# Allegro board BeagleBone-AI.brd (continued)
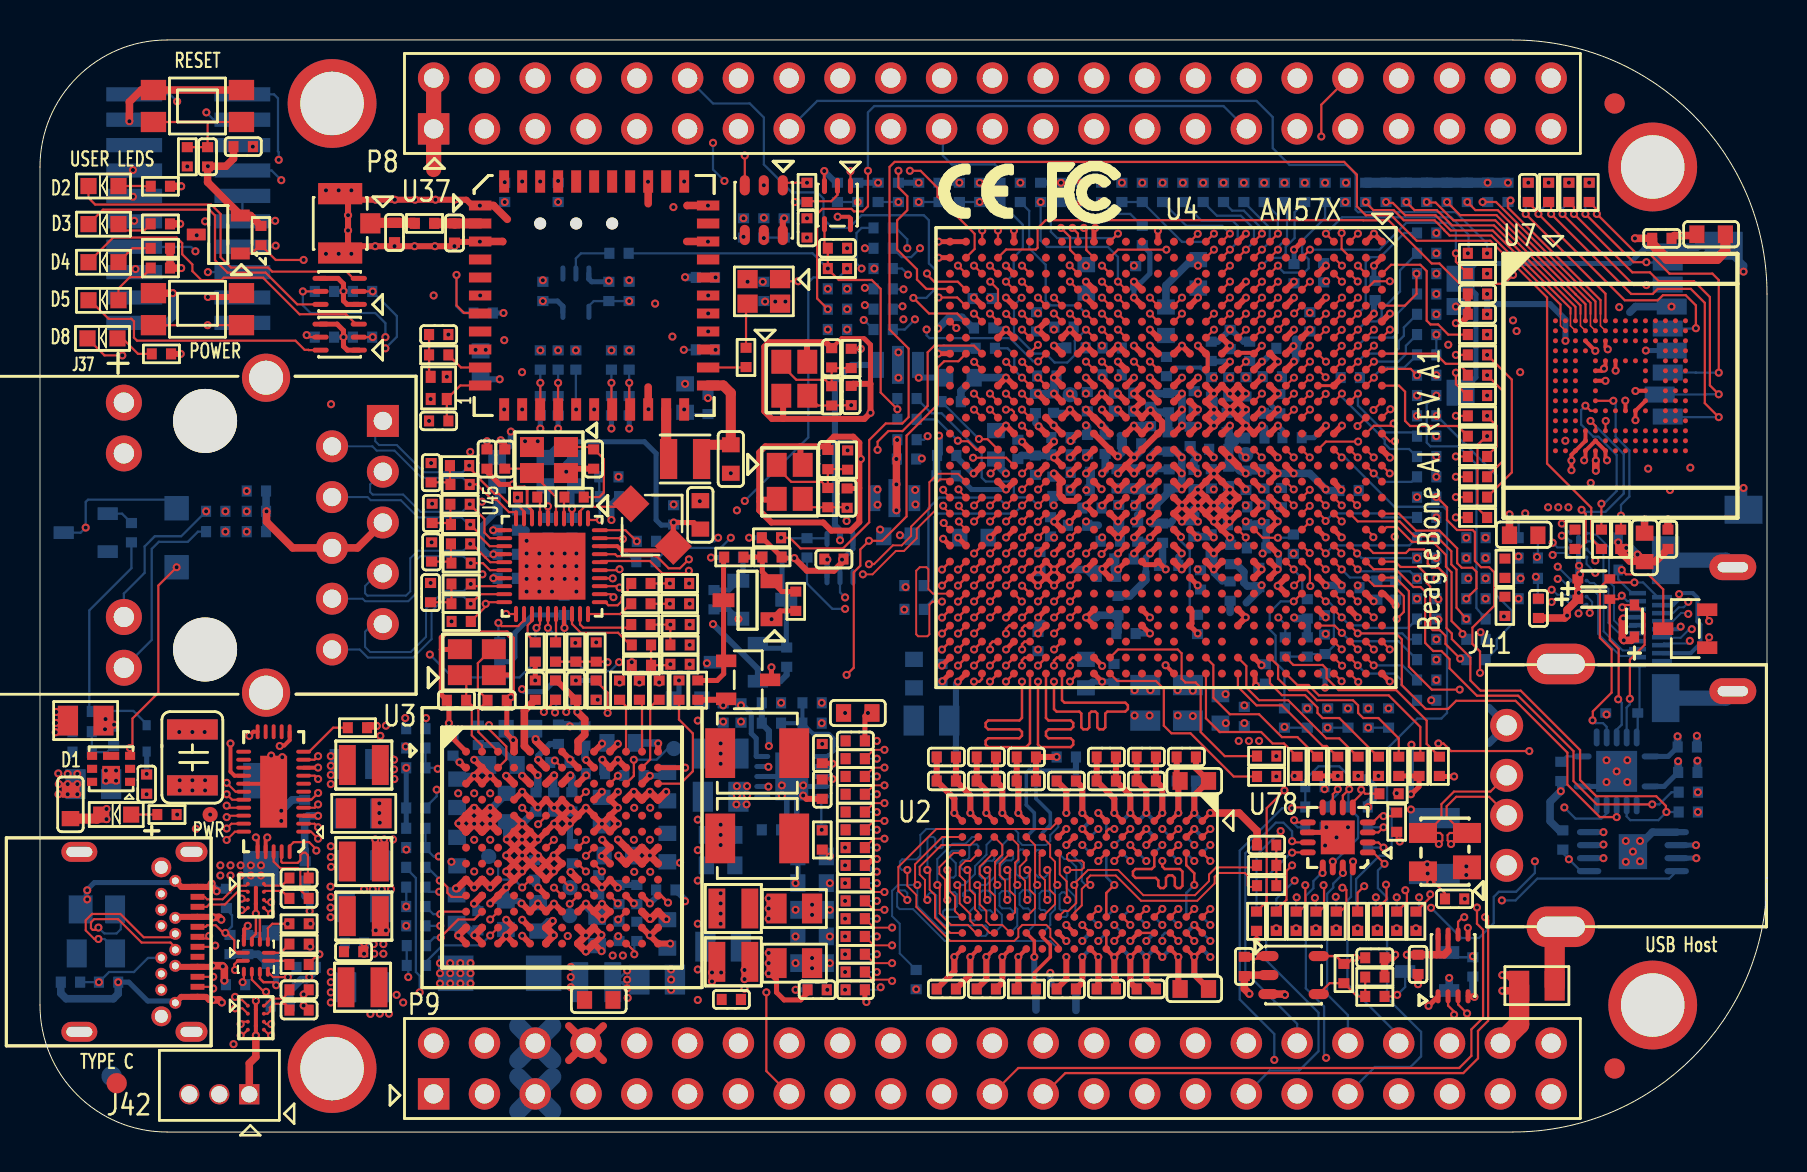
[diagram p0: board, top side]
## Routing (per net, layer and track width the routed paths; a pad name or vN(x,y) marks a point on that pad's centre or on a via; arc(x,y) is an arc through that point) (continued)
AC8_MMC3_DATA4: length 17.6
  TOP w0.114: v1(49.9,39.36) 49.5,38.96 U4.AC8
  INT_L3 w0.102: v1(49.9,39.36) 49.9,39.62 50.34,40.06 50.34,41.08 50.63,41.37 50.85,41.37 51.06,41.58 51.06,42.35 50.67,42.74 50.67,48.45 51.5,49.28 51.5,50.55 50.74,51.31 48.77,51.31 P8.23
AC9_MMC3_DATA2: length 29.9
  TOP w0.114: U4.AC9 v1(49.11,38.52)
  SIG_L8 w0.102: v1(43.18,40.64) 42.06,41.76 40.84,41.76 40.61,41.52 37.98,41.52 36.25,43.26 35.74,43.26 33.86,45.14 31.27,45.14 29.29,47.12 27.81,47.12 P8.5
  SIG_L10 w0.102: v1(49.11,38.52) 48.84,38.78 47.88,39.75 44.07,39.75 v1(43.18,40.64)
AD4_MMC3_CLK: length 5.2
  BOTTOM w0.114: R585.2 48.01,48.13 47.75,48.39 45.59,48.39 45.15,48.83 45.15,50.1 P8.21
AD6_MMC3_DATA5: length 16.1
  TOP w0.114: U4.AD6 v1(48.31,40.92)
  INT_L3 w0.102: v1(48.31,40.92) 48.7,41.31 48.7,41.85 48.96,42.1 49.34,42.1 49.48,42.25 49.48,46.15 49.4,46.23 49.4,47.69 48.83,48.26 46.8,48.26 45.97,49.09 45.97,51.82 P8.22
AD9_EQEP1A_IN: length 9.5
  TOP w0.114: U4.AD9 v1(48.31,38.52)
  INT_L3 w0.102: v1(48.31,38.52) 47.58,38.52 47.19,38.13 46.48,38.13 45.29,39.32 43.13,39.32 42.65,39.8 40.69,39.8 v1(40.36,40.13)
AE2_GPIO3_24: length 75.8
  TOP w0.114: U4.AE2 48.31,44.13 49.8,44.13 49.89,44.22 49.89,45.19 50.29,45.6 66.16,45.6 66.17,45.59 67.44,45.59 69.6,43.43 69.98,43.43 70.99,42.42 73.22,42.42 v1(73.66,42.86)
  SIG_L5 w0.102: v1(73.66,42.86) 74.73,41.8 74.73,30.71 74.42,30.4 74.42,27.2 74.52,27.1 74.52,25.25 73.08,23.8 73.08,22.61 74.85,20.83 74.85,13.64 v1(74.75,13.54) ; v1(69.56,11.21) 69.53,11.21 69.42,11.33 68.63,11.33 68.45,11.51 68.45,11.73 68.68,11.96 68.68,12.32 68.45,12.55 68.1,12.55 67.54,11.99 67.11,11.99 66.95,12.14 66.62,12.14 66.24,11.76 v1(64.8,11.76)
  BOTTOM w0.114: v1(74.75,13.54) 74.75,12.95 73.81,12.01 72.95,12.01 72.69,11.76 72.69,10.44 71.96,9.7 71.07,9.7 v1(69.56,11.21) ; v1(64.8,11.76) 64.82,11.73 R653.1
AF8_TIMER13: length 43
  TOP w0.114: U4.AF8 46.7,39.33 44.72,39.33 44.39,38.99 44.39,36.31 43.13,35.05 42.42,35.05 41.88,34.52 v1(41.88,34.11)
  SIG_L8 w0.102: v1(41.88,34.11) 41.88,33.99 42.67,33.2 45.49,33.2 46.96,31.72 47.7,31.72 47.9,31.52 47.9,31.19 48.18,30.91 49.28,30.91 49.53,30.66 49.53,30.3 49.71,30.12 50.88,30.12 51.1,29.9 51.1,28.78 51.36,28.52 54.18,28.52 56.64,26.06 56.64,24.94 58.29,23.29 58.29,22.33 59.66,20.96 62.81,20.96 63.02,20.75 66.98,20.75 67.41,21.18 v1(67.44,21.18)
AF9_EQEP1B_IN: length 8.7
  TOP w0.114: U4.AF9 v1(46.71,38.52)
  INT_L3 w0.102: v1(40.36,41.15) 40.36,40.77 40.97,40.16 42.62,40.16 43.23,39.55 46.43,39.55 46.71,39.27 v1(46.71,38.52)
AG4_GPIO3_12: length 49.9
  TOP w0.114: U4.AG4 46.29,42.13 45.9,42.52 44.72,42.52 44.35,42.88 v1(44.35,42.93) ; P9.15 36.32,3.05 v1(36.32,6.98)
  SIG_L10 w0.102: v1(44.35,42.93) 44.06,42.93 43.69,43.31 43.24,43.31 42.55,42.61 42.55,40 40.89,38.35 39.5,38.35 38.13,36.98 38.13,23.77 35.94,21.59 35.94,16.71 36.83,15.82 36.83,7.49 v1(36.32,6.98)
AG6_GPIO3_10: length 25.5
  TOP w0.114: U4.AG6 46.27,40.52 45.87,40.93 44.45,40.93 v1(43.67,41.71)
  BOTTOM w0.114: v1(43.67,41.71) 44.32,41.71 44.77,42.16 44.77,43.12 44.45,43.43 44.45,45.59 44.2,45.85 41.08,45.85 40.45,45.21 39.62,45.21 39.18,45.66 39.18,46.67 38.86,46.99 37.59,46.99 36.2,48.39 36.2,50.74 35.5,51.43 33.66,51.43 P8.12
AH4_GPIO3_11: length 19.8
  TOP w0.114: U4.AH4 45.47,42.16 44.32,42.16 43.85,42.63 43.85,43.14 42.86,44.13 42.86,45.59 43.37,46.1 43.37,46.8 42.93,47.24 v1(42.93,48.07)
  SIG_L8 w0.102: v1(42.93,48.07) 41.97,48.07 41.58,47.68 38.68,47.68 37.97,48.39 34.16,48.39 P8.11
AIN0: length 14.7
  TOP w0.114: v1(64.14,12.95) 64.15,12.97 U78.13
  SIG_L5 w0.102: P9.39 67.95,1.93 66.65,3.23 64.8,3.23 v1(64.31,3.71)
  BOTTOM w0.114: v1(64.31,3.71) 64.21,3.81 64.21,6.27 63.3,7.19 63.3,11.81 63.68,12.19 63.68,12.55 64.08,12.95 v1(64.14,12.95)
AIN1: length 10.6
  TOP w0.114: U78.16 65.65,13.51 v1(65.66,13.53)
  BOTTOM w0.114: P9.40 67.95,4.83 65.38,7.39 65.38,11.58 65.56,11.76 65.56,13.42 v1(65.66,13.53)
AIN2: length 16.2
  TOP w0.114: v1(67.23,13.41) 66.66,13.98 U78.1
  BOTTOM w0.114: P9.37 66.75,3.25 68.53,3.25 69.06,3.78 69.06,5 67.36,6.71 67.36,11.73 66.9,12.19 66.9,13.08 v1(67.23,13.41)
AIN3: length 9.5
  TOP w0.114: U78.15 65.15,12.96 v1(65.15,12.95)
  BOTTOM w0.114: P9.38 65.41,5.84 64.36,6.88 64.36,11.91 64.67,12.22 64.67,12.42 65.15,12.9 v1(65.15,12.95)
AIN4: length 16.9
  TOP w0.114: v1(62.61,13.97) 62.62,13.98 U78.12
  BOTTOM w0.114: P9.33 61.49,3.07 62.97,3.07 63.93,4.04 63.93,5.97 61.32,8.59 61.32,12.73 62.56,13.97 v1(62.61,13.97)
AIN5: length 15
  TOP w0.114: U78.11 62.67,14.48 v1(62.61,14.54)
  BOTTOM w0.114: v1(62.61,14.54) 62.61,15.04 62.18,15.47 61.8,15.47 60.27,13.94 60.27,8 62.86,5.41 P9.36
AIN6: length 18.4
  TOP w0.114: U78.8 62.65,16.23 v1(62.61,16.19)
  PWR_L6 w0.102: v1(61.72,3.61) 61.72,3.05 P9.35
  BOTTOM w0.114: v1(61.72,3.61) 61.72,4.9 59.99,6.63 59.99,14.07 62.12,16.19 v1(62.61,16.19)
B3_GPIO4_28: length 22.9
  TOP w0.114: U4.B3 v1(65.9,43.33)
  SIG_L8 w0.102: v1(65.9,43.33) 65.9,43.44 65.41,43.94 64.64,43.94 63.94,44.64 63.94,45.78 62.89,46.84 54.83,46.84 54.48,47.18 54.48,48.2 53.91,48.77 51.75,48.77 51.31,49.21 51.31,51.56 P8.26
B4_GPIO4_29: length 41.4
  TOP w0.114: U4.B4 66.72,42.54 v1(67.5,42.54)
  INT_L3 w0.102: P8.16 38.54,53.78 50.99,53.78 51.44,53.34 51.44,52.2 52.01,51.63 65.66,51.63 66.36,50.93 66.36,48.7 66.87,48.2 66.87,46.04 67.5,45.4 v1(67.5,42.54)
B7_GPIO8_16: length 5.8
  TOP w0.114: U4.B7 v1(66.7,40.13) ; R663.1 v1(70.8,38.86)
  SIG_L5 w0.102: v1(70.8,38.86) 70.28,38.86 70.03,39.12 69.34,39.12 68.71,39.75 67.38,39.75 67,40.13 v1(66.7,40.13)
B8_GPIO8_17: length 16.9
  TOP w0.114: U4.B8 v1(66.7,39.33)
  SIG_L5 w0.102: v1(66.7,39.33) 67,39.33 67.08,39.24 68.3,39.24 68.91,38.63 69.7,38.63 70.29,38.04 70.29,37.05 72.06,35.28 72.57,35.28 72.8,35.05 72.8,30.99 73.56,30.23 73.56,28.4 74.04,27.91 v1(74.04,27.69)
B9_GPIO8_22: length 3.5
  TOP w0.114: U4.B9 v1(66.7,38.53)
  BOTTOM w0.114: R621.1 68.3,39.32 68.3,38.9 67.93,38.53 v1(66.7,38.53)
B10_VOUT1_DE: length 3.2
  TOP w0.114: U4.B10 v1(66.7,37.73)
  BOTTOM w0.114: v1(66.7,37.73) 66.7,37.8 67.13,38.23 68.22,38.23 R620.1
B12_SPI3_SCLK: length 30.9
  TOP w0.114: U4.B12 v1(65.88,35.3)
  SIG_L10 w0.102: v1(66.8,11.73) 66.85,11.79 66.85,12.83 67.01,12.98 67.46,12.98 67.69,13.21 67.69,13.92 67.56,14.05 67.56,16.03 67.18,16.41 67.18,17.35 67.34,17.5 67.34,19.08 68.81,20.55 68.81,25.98 69.22,26.39 69.22,29.79 68.14,30.87 68.14,33.78 67.83,34.09 67.32,34.09 67.12,34.29 67.12,36.21 66.83,36.5 66.42,36.5 66.27,36.35 66.27,35.69 v1(65.88,35.3)
  BOTTOM w0.114: R645.1 66.8,11.1 v1(66.8,11.73)
B13_SPI3_D0: length 55.9
  TOP w0.114: v1(67.69,35.43) 67.58,35.32 66.7,35.32 U4.B13
  SIG_L5 w0.102: P9.30 55.25,5.41 55.68,5.84 62.66,5.84 63.56,6.75 63.56,7.62 65.28,9.33 65.28,10.58 65.54,10.85 69.04,10.85 70.13,9.75 71.5,9.75 71.81,10.06 71.81,10.72 71.4,11.13 70.94,11.13 70.64,11.43 70.64,13.61 71.17,14.15 71.17,15.29 70.18,16.28 70.18,17.81 71.04,18.67 71.04,20.35 70.48,20.9 70.48,23.75 70.97,24.23 72.16,24.23 72.72,24.79 72.72,25.96 72.97,26.21 72.97,27.64 72.39,28.22 72.19,28.22 71.93,28.47 71.93,30.23 71.63,30.53 71.63,33.55 71.04,34.14 69.01,34.14 68.38,34.77 68.38,34.9 67.84,35.43 v1(67.69,35.43)
B14_MCASP_ACLKR: length 76.3
  TOP w0.114: U4.B14 v1(66.69,33.73)
  SIG_L8 w0.102: v1(66.69,33.73) 66.7,33.73 67.11,33.32 67.11,31.6 68.33,30.38 70.1,30.38 71.15,29.34 73.99,29.34 74.4,28.93 74.4,25.91 72.62,24.13 72.62,21.95 71.58,20.9 71.58,17.75 70.64,16.81 70.64,15.75 69.55,14.66 69.55,14.2 70.13,13.61 70.13,10.57 69.55,9.98 69.55,7.09 68.91,6.45 68.91,4.19 67.97,3.25 51.56,3.25 51.38,3.07 33.78,3.07 33.43,3.43 33.4,3.43 P9.12
B19_UART5_RXD: length 10.2
  TOP w0.114: v1(66.67,29.74) 66.67,29.79 66.34,30.13 U4.B19
  SIG_L8 w0.102: v1(66.67,29.74) 67.08,30.15 70,30.15 71.04,29.11 72.85,29.11 73.51,28.45 73.51,27.1 v1(73.94,26.67)
B22_UART3_TXD: length 9.1
  TOP w0.114: v1(67.84,25.65) 68.2,26.01 68.2,26.8 67.69,27.3 66.72,27.3 U4.B22
  INT_L3 w0.102: v1(67.84,25.65) 68.17,25.32 68.17,22.53 67.51,21.87 67.11,21.87 v1(66.42,21.18)
B24_SPI2_CS0: length 18.7
  TOP w0.114: U4.B24 v1(66.69,25.73)
  SIG_L5 w0.102: v1(66.69,25.73) 66.31,25.35 65.74,25.35 65.51,25.12 65.51,24.74 65.33,24.56 64.9,24.56 64.49,24.16 64.49,22.56 64.87,22.17 64.87,21.18 65.48,20.57 65.48,20.04 63.09,17.65 63.09,12.98 62.74,12.62 v1(62.74,12.57)
  BOTTOM w0.114: v1(62.74,12.57) 61.82,11.66 R632.1
B26_TIMER15: length 5.2
  TOP w0.114: U4.B26 v1(66.7,24.13)
  INT_L3 w0.102: v1(66.7,24.13) 66.43,23.86 66.42,23.86 66.31,23.75 65.02,23.75 64.71,23.43 64.71,21.5 v1(64.39,21.18)
C1_GPIO4_7: length 38.9
  TOP w0.114: v1(68.28,12.09) 68.35,12.01 68.35,11.51 67.87,11.02 R580.2 ; U4.C1 v1(65.9,44.93)
  SIG_L10 w0.102: v1(65.9,44.93) 66.33,44.5 67.77,44.5 67.95,44.32 67.95,41.79 68.17,41.56 68.17,39.54 67.95,39.31 67.95,37.23 69.22,35.96 69.22,35.67 68.94,35.39 68.94,33.11 69.66,32.38 69.98,32.38 70.36,32 70.36,19.2 69.82,18.67 69.82,16.05 68.66,14.88 68.66,13.44 68.28,13.06 v1(68.28,12.09)
C2_GPIO4_14: length 42.5
  TOP w0.114: U4.C2 65.5,43.75 65.09,44.17 v1(65.09,44.96)
  SIG_L10 w0.102: v1(68.96,11.73) 68.91,11.73 68.66,11.99 68.66,13.08 68.96,13.39 68.96,14.76 70.12,15.91 70.12,18.53 70.61,19.02 70.61,29.72 71.18,30.29 71.18,33.08 70.99,33.27 69.78,33.27 69.22,33.84 69.22,35.34 69.44,35.57 69.44,36.06 69.22,36.28 69.22,36.98 69.01,37.19 68.41,37.19 68.2,37.4 68.2,38.93 68.4,39.13 68.4,41.65 68.2,41.86 68.2,44.63 67.42,45.4 65.53,45.4 v1(65.09,44.96)
  BOTTOM w0.114: R578.1 68.96,11.18 v1(68.96,11.73)
C3_GPIO4_15: length 21.5
  TOP w0.114: U4.C3 v1(65.89,42.53)
  SIG_L5 w0.102: v1(74.27,30.94) 74.47,31.14 74.47,40.77 72.95,42.29 69.55,42.29 69.14,41.88 66.54,41.88 v1(65.89,42.53)
  BOTTOM w0.114: v1(74.27,30.94) 73.94,30.61 R668.1
C5_EHRPWM3B: length 78.8
  TOP w0.114: U4.C5 v1(65.9,41.73)
  SIG_L5 w0.102: v1(73.84,40.06) 73.91,40.06 74.07,40.21 74.07,40.82 73.36,41.53 72.2,41.53 71.67,42.06 70.59,42.06 70.08,41.55 66.08,41.55 v1(65.9,41.73)
  SIG_L10 w0.102: P9.16 38.23,5.21 67.31,5.21 69.34,7.24 69.34,8.18 70.84,9.68 70.84,13.46 71.63,14.25 71.63,23.11 72.39,23.88 72.39,25.73 73.3,26.64 73.3,30.48 72.52,31.27 72.52,33.66 73.1,34.24 73.1,36.22 73.51,36.63 73.51,39.79 73.77,40.06 v1(73.84,40.06)
C6_VOUT1_D13: length 6.5
  TOP w0.114: U4.C6 v1(65.9,40.93)
  BOTTOM w0.114: R614.1 68.22,44.96 67.02,43.75 66.55,43.75 66.29,43.5 66.29,41.31 65.91,40.93 v1(65.9,40.93)
C7_VOUT1_D15: length 5.9
  TOP w0.114: U4.C7 v1(65.9,40.13)
  BOTTOM w0.114: v1(65.9,40.13) 66.32,40.54 66.86,40.54 67.09,40.76 67.09,41.12 68.01,42.04 68.01,43.09 R616.1
C8_VOUT1_D14: length 5.2
  TOP w0.114: U4.C8 v1(65.9,39.33)
  BOTTOM w0.114: R619.1 67.89,40.94 67.89,39.96 67.65,39.73 66.31,39.73 v1(65.9,39.33)
C9_GPIO8_20: length 5
  TOP w0.114: U4.C9 v1(65.9,38.53)
  BOTTOM w0.114: R623.1 68.2,40.23 68.2,39.81 67.95,39.56 67.95,39.18 67.69,38.93 66.3,38.93 v1(65.9,38.53)
C11_VOUT1_HSYNC: length 4.8
  TOP w0.114: U4.C11 v1(65.9,36.93)
  BOTTOM w0.114: R625.1 68.67,34.99 67.25,34.99 65.9,36.33 v1(65.9,36.93)
C14_MCASP1_ACLKX: length 34.9
  TOP w0.114: R646.1 66.88,11.18 67.34,11.63 67.34,12.34 v1(67.31,12.37) ; U4.C14 v1(65.89,33.73)
  SIG_L10 w0.102: v1(65.89,33.73) 65.48,34.15 65.48,37.16 65.66,37.34 66.93,37.34 68.07,36.2 68.07,34.99 68.39,34.67 68.39,32.83 69.22,32 69.22,30.48 69.47,30.23 69.47,26.31 69.11,25.96 69.11,20.47 67.72,19.08 67.72,17.5 67.46,17.25 67.46,16.51 68.38,15.6 68.38,13.49 67.31,12.42 v1(67.31,12.37)
C17_UART5_TXD: length 56.9
  TOP w0.114: U4.C17 65.5,31.7 v1(65.86,31.34)
  SIG_L5 w0.102: P9.13 34.92,1.97 35.94,2.98 37.91,2.98 38.61,3.68 38.61,5.02 39.31,5.71 41.47,5.71 42.23,6.48 48.13,6.48 49.23,7.57 51.26,7.57 52.01,8.32 58.61,8.32 59.69,9.4 59.69,18.36 58.67,19.38 58.67,22.61 60.96,24.89 62.66,24.89 63.14,25.37 63.14,28.5 63.07,28.57 63.07,29.16 63.25,29.34 65.41,29.34 65.86,29.79 v1(65.86,31.34)
C18_UART8_RXD: length 9.5
  TOP w0.114: U4.C18 65.89,30.53 67.99,30.53 68.73,29.79 69.82,29.79 70.57,29.04 70.57,28.38 70.83,28.12 70.83,26.22 v1(71.32,25.65)
C23_CLKOUT3: length 28.1
  TOP w0.114: U4.C23 v1(65.89,26.53)
  SIG_L5 w0.102: v1(65.89,26.53) 65.47,26.11 65.47,25.53 65.28,25.34 64.96,25.34 64.71,25.08 64.71,24.77 64.45,24.51 64.14,24.51 63.88,24.26 63.88,20.96 64.11,20.73 64.64,20.73 64.95,20.42 64.95,20.09 64.08,19.23 61.59,19.23 60.45,18.08 60.45,13.56 62.69,11.33 67.61,11.33 67.84,11.56 v1(67.84,11.73)
  BOTTOM w0.114: R579.1 v1(67.84,11.73)
CC1: length 5
  TOP w0.114: 9.3,10.01 9.27,10.03 9.09,10.03 8.79,10.34 8.36,10.34 8.28,10.26 J42.A5 ; 9.3,10.01 9.72,9.59 9.72,9.08 9.83,8.96 U22.1 ; 9.3,10.01 9.3,9.98 v1(9.27,9.96)
  BOTTOM w0.114: D46.2 9.4,9.96 v1(9.27,9.96) 9.6,10.29 9.6,10.85 9.32,11.13 R533.1
CC2: length 17.5
  TOP w0.114: v1(9.75,8.1) 9.72,8.14 9.72,8.38 9.9,8.56 U22.2
  INT_L3 w0.102: v1(9.75,8.1) 10.24,8.1 10.59,7.75 10.59,7.14 10.34,6.88 10.34,6.15 10.01,5.82 7.26,5.82 6.4,4.95 5.66,4.95 5.21,5.41 5.21,7.85 J42.B5
  BOTTOM w0.114: J42.B5 6.06,8.71 5.4,8.71 4.7,8 3.45,8 v1(2.95,7.49) R534.1
CLKOUT3: length 9.8
  SIG_L5 w0.102: P9.41 68.96,3.43 68.96,5.44 68.4,5.99 68.4,7.87 68.81,8.28 68.81,9.32 67.95,10.19 v1(67.84,10.19)
D1_GPIO4_3: length 9.4
  TOP w0.114: U4.D1 v1(64.3,44.93)
  BOTTOM w0.114: v1(64.3,44.93) 64.58,45.2 64.58,45.21 65.11,45.75 70.56,45.75 71.44,44.87 71.44,43.98 v1(71.4,43.94)
D2_UART10_CTSN: length 40.3
  TOP w0.114: U4.D2 v1(65.1,43.32) ; v1(63.27,12.34) 63.27,11.33 62.97,11.02 R639.1
  SIG_L10 w0.102: v1(65.1,43.32) 64.72,42.94 64.72,42.37 64.97,42.11 65.25,42.11 65.53,41.83 65.53,40.79 65.3,40.56 64.95,40.56 64.72,40.34 64.72,39.95 64.52,39.75 63.98,39.75 63.88,39.65 63.88,37.52 64.11,37.29 64.57,37.29 64.72,37.13 64.72,33.6 65.02,33.3 65.79,33.3 67.34,31.75 67.34,25.58 68.11,24.8 68.11,20.57 66.64,19.1 65.2,19.1 63.86,17.75 63.86,13.41 63.25,12.8 63.25,12.37 v1(63.27,12.34)
D3_EHRPWM2B: length 40.6
  TOP w0.114: U4.D3 v1(65.1,42.52)
  SIG_L8 w0.102: v1(65.1,42.52) 64.7,42.93 63.82,42.93 63.12,43.62 63.12,45.15 61.94,46.33 54.25,46.33 53.49,47.09 50.06,47.09 48.13,49.02 44.39,49.02 43.75,49.66 43.75,52.77 42.85,53.67 36.52,53.67 36.13,53.28 36.13,51.37 P8.13
D5_GPIO4_13: length 40.4
  TOP w0.114: U4.D5 v1(65.1,41.73)
  SIG_L8 w0.102: v1(65.1,41.73) 65.16,41.73 65.51,42.08 65.51,43.46 65.28,43.69 64.45,43.69 63.69,44.45 63.69,44.96 62.06,46.58 54.38,46.58 53.66,47.31 53.66,48.01 53.15,48.51 49.15,48.51 48.39,49.28 44.51,49.28 43.98,49.81 43.98,52.86 42.95,53.89 36.11,53.89 P8.14
D6_EHRPWM3A: length 81.1
  TOP w0.114: U4.D6 v1(65.1,40.93)
  SIG_L5 w0.102: v1(73.66,40.59) 73.54,40.59 72.86,41.27 71.69,41.27 71.18,41.78 70.66,41.78 70.21,41.33 65.71,41.33 65.31,40.93 v1(65.1,40.93)
  SIG_L10 w0.102: v1(73.66,40.59) 73.2,40.13 73.2,36.8 72.87,36.47 72.87,34.39 72.19,33.71 72.19,31.12 73.08,30.23 73.08,26.82 71.63,25.37 71.63,23.5 71.37,23.24 71.37,14.33 70.61,13.56 70.61,9.78 68.43,7.59 68.43,6.91 66.98,5.46 35.94,5.46 P9.14
D7_VOUT1_D10: length 10
  TOP w0.114: R685.1 71.37,36.83 70.8,37.4 v1(70.8,37.97) ; U4.D7 v1(65.09,40.12)
  SIG_L8 w0.102: v1(70.8,37.97) 70.29,37.46 69.51,37.46 69.41,37.57 69.41,39.24 68.96,39.69 65.53,39.69 65.1,40.12 v1(65.09,40.12)
D8_VOUT1_D11: length 9.3
  TOP w0.114: U4.D8 v1(65.09,39.32) ; R683.1 v1(70.8,35.81)
  SIG_L5 w0.102: v1(70.8,35.81) 70.29,36.32 69.6,36.32 69.39,36.53 69.39,38.15 69.14,38.4 68.73,38.4 68.21,38.93 65.75,38.93 65.36,39.32 v1(65.09,39.32)
D9_VOUT1_D9: length 5.3
  TOP w0.114: U4.D9 v1(65.1,38.53)
  SIG_L5 w0.102: v1(65.1,38.53) 65.5,38.13 68,38.13 68.88,37.24 68.88,36.86 v1(68.86,36.83)
D11_VOUT1_CLK: length 5.8
  TOP w0.114: U4.D11 v1(65.1,36.93)
  BOTTOM w0.114: R622.1 68.83,33.78 68.46,34.16 67.51,34.16 67.25,34.42 67.25,34.61 65.1,36.75 v1(65.1,36.93)
D14_MCASP1_FSX: length 30.1
  TOP w0.114: U4.D14 v1(65.09,33.73)
  BOTTOM w0.114: v1(65.09,33.73) 65.26,33.73 67.73,31.27 70.18,31.27 70.36,31.09 70.36,20.96 70.08,20.68 68.87,20.68 67.36,19.16 67.36,16.33 67.59,16.1 67.59,13.97 67.44,13.82 66.98,13.82 65.81,12.65 65.81,11.1 R644.1
D17_UART8_RTSN: length 11.8
  TOP w0.114: U4.D17 v1(65.09,31.33)
  INT_L3 w0.102: v1(71.42,27.69) 70.87,28.24 70.87,30.04 71.18,30.35 71.18,31.88 70.88,32.18 68.35,32.18 67.89,31.72 65.48,31.72 v1(65.09,31.33)
  BOTTOM w0.114: R617.1 v1(71.42,27.69)
D18_GPIO6_17: length 53.7
  TOP w0.114: v1(72.01,22.96) 72.01,24.03 71.63,24.41 71.63,25.22 72.72,26.31 72.72,27.99 72.47,28.24 72.06,28.24 71.75,28.55 71.75,29.99 71.64,30.11 70.86,30.11 70.36,30.61 70.36,31.24 69.85,31.75 v1(69.82,31.75) ; P9.25 50.23,1.9 51.27,2.95 71.17,2.95 71.91,3.68 71.91,5.05 72.42,5.56 72.42,10.59 v1(72.26,10.74)
  SIG_L5 w0.102: v1(72.01,22.96) 72.01,22.78 71.68,22.45 71.68,12.09 72.29,11.48 72.29,10.77 v1(72.26,10.74)
DC_SW_CTL: length 13.5
  TOP w0.114: v1(6.83,28.24) 5.92,27.33 5.92,21.97 4.62,20.68 4.62,19.33 v1(4.5,19.2) 4.51,19.19 Q15.3
  BOTTOM w0.114: C457.2 R553.2 3.35,19 3.66,19.3 4.39,19.3 v1(4.5,19.2)
DDR1_A0: length 45.3
  TOP w0.1: U2.N3 48.52,13.95 47.99,13.41 47.99,12.85 48.26,12.58 48.26,11.71 48.37,11.6 v1(48.37,11.6) ; v1(42.61,9.33) 41.69,9.33 R36.1
  TOP w0.127: U4.AD20 v1(48.31,28.93)
  SIG_L5 w0.121: v1(42.61,9.33) 42.86,9.33 43.22,9.69 46.45,9.69 v1(48.37,11.6)
  SIG_L10 w0.121: v1(48.37,11.6) 48.37,12.55 48.76,12.94 48.76,13.28 48.51,13.53 48.51,13.65 48.64,13.78 49.78,13.78 49.91,13.91 49.91,14.1 49.78,14.22 48.64,14.22 48.51,14.35 48.51,14.54 48.64,14.67 49.78,14.67 49.91,14.8 49.91,14.99 49.78,15.11 48.64,15.11 48.51,15.24 48.51,15.43 48.64,15.56 49.21,15.56 49.33,15.68 49.33,16.21 49.18,16.35 48.64,16.35 48.52,16.47 48.52,16.64 48.64,16.76 49.21,16.76 49.34,16.89 49.34,17.08 49.21,17.21 48.64,17.21 48.51,17.34 48.51,18.86 48.39,18.99 46.36,18.99 44.83,20.51 44.83,21.72 44.32,22.23 44.32,23.94 44.9,24.52 45.25,24.52 45.47,24.73 45.47,25.02 45.78,25.34 46.1,25.34 46.34,25.58 46.34,25.88 46.56,26.09 46.58,26.09 46.61,26.12 46.82,26.12 47.1,26.4 47.1,26.7 47.34,26.94 47.7,26.94 47.92,27.15 47.92,27.47 48.2,27.75 48.45,27.75 48.7,28 48.7,28.53 v1(48.31,28.93)
  BOTTOM w0.1: U11.N3 48.54,10.75 48.64,10.86 48.64,11.06 48.51,11.19 48.11,11.19 47.98,11.31 47.98,11.92 48.11,12.05 48.39,12.05 48.49,11.95 48.49,11.71 48.39,11.6 v1(48.37,11.6)
DDR1_A1: length 44.1
  TOP w0.1: v1(42.23,16.45) 41.69,16.45 R137.1 ; v1(47.37,13.1) 47.49,12.99 47.49,12.07 47.75,11.8 47.75,10.78 47.73,10.75 U2.P7
  TOP w0.127: U4.AC19 v1(49.11,29.73)
  INT_L3 w0.121: v1(49.11,29.73) 48.83,29.73 48.43,29.33 48.17,29.33 47.9,29.06 47.9,28.78 47.65,28.52 44.43,28.52 43.64,27.74 43.64,27.61 43.75,27.5 44.07,27.5 44.2,27.37 44.2,27.18 44.07,27.05 43.75,27.05 43.62,26.92 43.62,26.73 43.75,26.61 44.07,26.61 44.2,26.48 44.2,26.29 44.07,26.16 43.75,26.16 43.62,26.04 43.62,25.84 43.75,25.72 44.07,25.72 44.2,25.59 44.2,25.4 44.07,25.27 43.12,25.27 42.99,25.15 42.99,14.21 42.61,13.83 42.61,12.72 43.34,11.99 47.04,11.99 47.37,12.32 47.37,13.1 v1(47.37,13.1)
  SIG_L5 w0.121: v1(42.23,16.45) 44.03,16.45 v1(47.37,13.1)
  BOTTOM w0.1: v1(47.37,13.1) 47.49,12.98 47.49,12.84 47.35,12.69 47.1,12.69 46.98,12.81 46.98,13.2 47.35,13.56 47.63,13.56 47.72,13.65 U11.P7
DDR1_A2: length 43.7
  TOP w0.1: v1(47.37,11.6) 47.36,11.6 47.26,11.71 47.26,12.64 46.99,12.91 46.99,13.27 47.27,13.55 47.68,13.95 U2.P3
  TOP w0.127: U4.AC20 v1(49.11,28.93)
  SIG_L5 w0.121: v1(41.85,9.78) 42.8,9.78 43.09,10.07 46.14,10.07 47.37,11.3 v1(47.37,11.6)
  SIG_L10 w0.121: v1(49.11,28.93) 48.98,28.93 48.7,29.21 48.7,29.97 48.58,30.1 48.03,30.1 47.9,29.97 47.9,27.97 47.65,27.72 45.69,27.72 45.47,27.5 45.47,26.37 45.26,26.16 44.96,26.16 43.56,24.77 43.56,21.97 44.07,21.46 44.07,20.26 46.16,18.16 46.8,18.16 46.93,18.03 46.93,17.84 46.8,17.72 45.85,17.72 45.72,17.59 45.72,17.4 45.85,17.27 46.8,17.27 46.93,17.14 46.93,16.95 46.8,16.83 45.85,16.83 45.72,16.7 45.72,16.45 45.84,16.33 46.79,16.33 46.93,16.19 46.93,13.02 46.51,12.6 46.51,12.2 46.72,11.99 46.99,11.99 v1(47.37,11.6)
  BOTTOM w0.1: R37.1 v1(41.85,9.78) ; U11.P3 47.72,10.89 47.53,11.08 47.08,11.08 46.98,11.18 46.98,11.92 47.13,12.07 47.4,12.07 47.53,11.95 47.53,11.69 47.44,11.6 v1(47.37,11.6)
DDR1_A3: length 50.2
  TOP w0.1: U2.N2 48.92,14.35 48.92,13.63 48.76,13.47 48.76,12.46 v1(48.87,12.35)
  TOP w0.127: U4.AB19 v1(49.91,29.73)
  SIG_L5 w0.121: v1(48.87,12.35) 48.87,11.52 46.66,9.31 43.34,9.31 42.93,8.89 v1(41.85,8.89)
  SIG_L8 w0.121: v1(48.87,12.35) 48.87,11.58 48.18,10.9 44.78,10.9 44.46,11.21 43.24,11.21 43,11.46 43,12.42 42.65,12.77 42.65,13.46 42.95,13.77 42.95,19.93 41.38,21.51 41.38,27.03 44.79,30.43 44.79,30.73 44.98,30.92 47.71,30.92 47.9,30.73 47.9,30.28 48.06,30.12 49.25,30.12 49.65,29.73 v1(49.91,29.73)
  BOTTOM w0.1: R39.1 v1(41.85,8.89) ; U11.N2 48.87,10.3 48.87,11.15 48.76,11.27 48.76,12.24 v1(48.87,12.35)
DDR1_A4: length 43.7
  TOP w0.1: v1(45.87,12.35) 45.87,12.35 45.87,12.35 45.99,12.24 45.99,11.43 46.52,10.9 46.52,10.55 46.72,10.35 47.1,10.35 47.5,9.95 U2.P8 ; v1(42.23,15.56) 41.69,15.56 R136.1
  TOP w0.127: U4.AF21 v1(46.71,28.13)
  SIG_L5 w0.121: v1(42.23,15.56) 43.58,15.56 45.87,13.27 v1(45.87,12.35)
  SIG_L8 w0.121: v1(45.87,12.35) 45.93,12.41 45.93,13.27 45.91,13.27 45.66,13.53 44.32,13.53 44.2,13.65 44.2,14.03 44.32,14.16 44.45,14.16 44.58,14.29 44.58,14.6 44.45,14.73 44.32,14.73 44.2,14.85 44.2,20.12 42.42,21.89 42.42,26.62 42.67,26.87 43.51,26.87 43.81,27.18 43.81,27.5 44.05,27.73 46.99,27.73 47.12,27.6 47.12,27.05 47.24,26.92 47.82,26.92 47.94,26.8 47.94,26.61 48.07,26.48 48.58,26.48 48.7,26.61 48.7,26.8 48.83,26.92 49.27,26.92 49.53,27.18 49.53,27.62 49.4,27.75 47.37,27.75 46.99,28.13 v1(46.71,28.13)
  BOTTOM w0.1: U11.P8 47.33,14.36 47.33,13.87 46.76,13.29 46.76,13.23 46.76,13.23 46.76,12.9 46.21,12.35 v1(45.87,12.35)
DDR1_A5: length 45.4
  TOP w0.1: v1(47.87,12.35) 47.87,12.35 47.76,12.46 47.76,13.51 48.12,13.87 48.12,14.35 U2.P2
  TOP w0.127: U4.AH22 v1(45.1,27.32)
  SIG_L5 w0.121: v1(47.87,12.35) 47.87,13.16 44.14,16.89 v1(41.85,16.89)
  SIG_L8 w0.121: v1(47.87,12.35) 47.87,13.39 48.01,13.53 48.45,13.53 48.58,13.65 48.58,14.29 48.45,14.41 48.2,14.41 48.07,14.29 48.07,14.03 47.94,13.91 47.75,13.91 47.62,14.03 47.62,14.29 47.5,14.41 47.31,14.41 47.18,14.29 47.18,13.53 47.05,13.4 46.86,13.4 46.74,13.53 46.74,14.29 46.61,14.41 46.42,14.41 46.29,14.29 46.29,13.84 46.16,13.72 45.97,13.72 45.85,13.84 45.85,14.29 45.72,14.41 45.53,14.41 45.4,14.29 45.4,14.03 45.28,13.91 45.09,13.91 44.96,14.03 44.96,14.54 45.15,14.73 45.15,14.99 45.02,15.11 44.7,15.11 44.58,15.24 44.58,16.89 44.7,17.02 45.09,17.02 45.21,17.14 45.21,17.34 45.09,17.46 44.7,17.46 44.58,17.59 44.58,17.78 44.7,17.91 45.09,17.91 45.21,18.03 45.21,18.22 45.09,18.35 44.7,18.35 44.58,18.48 44.58,18.67 44.7,18.8 45.09,18.8 45.21,18.92 45.21,19.11 45.09,19.24 44.7,19.24 44.58,19.37 44.58,19.56 44.7,19.69 45.09,19.69 45.21,19.81 45.21,20 45.09,20.13 44.67,20.13 42.8,22 42.8,26.42 42.93,26.54 43.69,26.54 44.47,27.32 v1(45.1,27.32)
  BOTTOM w0.1: U11.P2 47.72,9.95 48.1,10.33 48.1,10.87 47.75,11.21 47.75,12.24 v1(47.87,12.35) ; R43.1 v1(41.85,16.89)
DDR1_A6: length 41.7
  TOP w0.1: U2.R8 46.8,9.95 46.4,10.35 45.56,10.35 44.99,10.93 44.99,12.23 44.87,12.35 v1(44.87,12.35)
  TOP w0.127: U4.AG23 v1(45.9,26.52)
  SIG_L5 w0.121: v1(41.85,12.45) 43.37,12.45 43.66,12.74 44.01,12.74 44.5,12.24 44.5,12.23 44.74,12.23 v1(44.87,12.35)
  SIG_L8 w0.121: v1(44.87,12.35) 44.91,12.32 44.91,11.33 45.01,11.23 47.9,11.23 47.98,11.3 47.98,11.77 48.48,12.27 48.48,12.67 48.89,13.08 48.89,13.34 49.02,13.46 49.21,13.46 49.34,13.59 49.34,13.78 49.21,13.91 49.04,13.91 48.92,14.03 48.92,14.22 49.04,14.35 49.21,14.35 49.34,14.48 49.34,14.67 49.21,14.8 45.85,14.8 44.96,15.68 44.96,16.26 45.59,16.89 45.59,20.38 45.47,20.51 44.77,20.51 43.18,22.1 43.18,25.53 44.57,26.92 46.24,26.92 46.36,26.8 46.36,26.64 46.24,26.52 v1(45.9,26.52)
  BOTTOM w0.1: U11.R8 46.62,14.75 46.28,14.41 46.27,14.41 46.26,14.41 45.63,14.41 44.87,13.65 44.87,12.36 v1(44.87,12.35) ; R131.1 v1(41.85,12.45)
DDR1_A7: length 42.6
  TOP w0.1: v1(44.37,11.6) 44.37,11.6 44.25,11.72 44.25,12.61 43.99,12.88 43.99,13.26 45.08,14.35 46.52,14.35 46.92,14.75 U2.R2 ; v1(42.23,12) 41.69,12 R160.1
  TOP w0.127: U4.AE21 v1(47.51,28.13)
  SIG_L5 w0.121: v1(42.23,12) 43.58,12 43.98,11.6 v1(44.37,11.6)
  SIG_L10 w0.121: v1(44.37,11.6) 44.37,12.49 44.89,13.02 44.89,13.4 44.77,13.53 44.39,13.53 44.26,13.65 44.26,14.35 44.39,14.48 44.83,14.48 44.96,14.61 44.96,14.8 44.83,14.92 44.39,14.92 44.26,15.05 44.26,15.24 44.39,15.37 44.83,15.37 44.96,15.49 44.96,15.68 44.83,15.81 44.39,15.81 44.26,15.94 44.26,16.13 44.39,16.26 44.83,16.26 44.96,16.38 44.96,16.57 44.83,16.7 44.39,16.7 44.26,16.83 44.26,17.02 44.39,17.14 44.83,17.14 44.96,17.27 44.96,17.46 44.83,17.59 44.39,17.59 44.26,17.72 44.26,17.91 44.39,18.03 44.83,18.03 44.96,18.16 44.96,18.35 44.83,18.48 44.39,18.48 44.26,18.61 44.26,19.07 43.3,20.03 43.3,21.22 42.8,21.72 42.8,25.49 43.04,25.73 43.51,25.73 44.32,26.54 44.32,28 44.88,28.56 47.08,28.56 v1(47.51,28.13)
  BOTTOM w0.1: v1(44.37,11.6) 44.37,11.83 44.5,11.96 44.69,11.96 44.82,11.83 44.82,10.74 45.23,10.33 47.29,10.33 47.38,10.24 47.38,9.91 47.28,9.81 47.07,9.81 U11.R2